# Altium PCB Netscale48HD_Sensorbar_Master.PcbDoc (part 1 of 5)
Units mil, origin at the board's own origin, x right, y up, seen from the top; angles counter-clockwise.
Board outline 18271.78 x 661.42 mil, 6 copper layers (Top Layer, PWR_Layer, Top_Signal_Layer, Bottom_Signal_Layer, GND_Layer, Bottom Layer), stack 30.644 mil thick; 300 components, 206 nets, 1127 pads, 560 vias.
Unrouted connection lines stored in the file: 11.
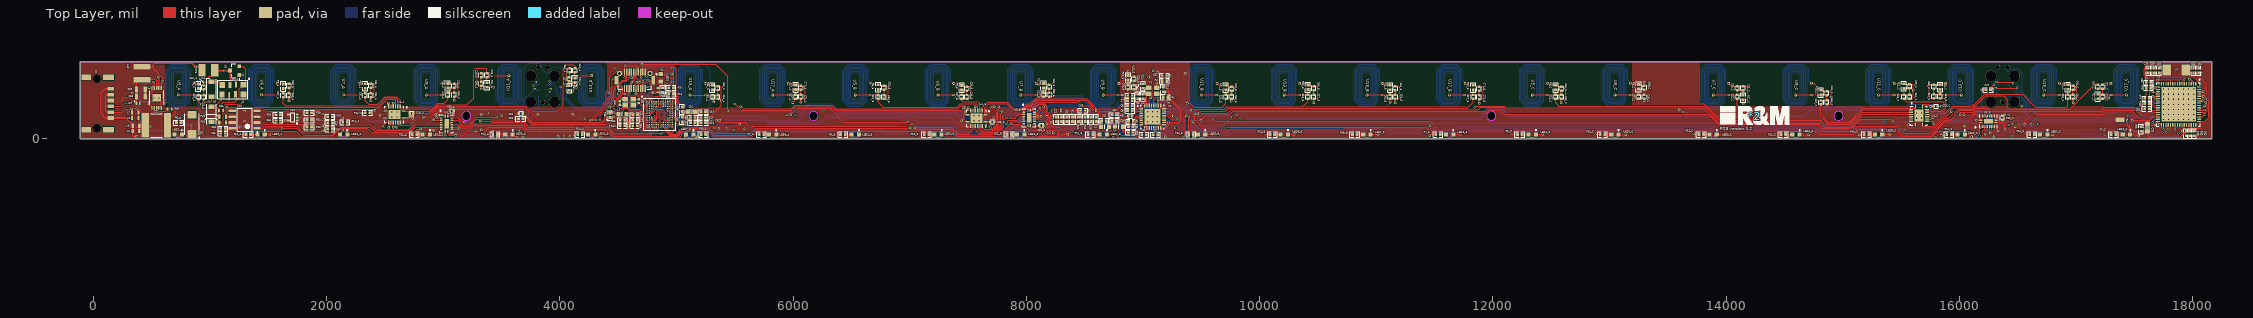
[diagram p0: Top Layer view]
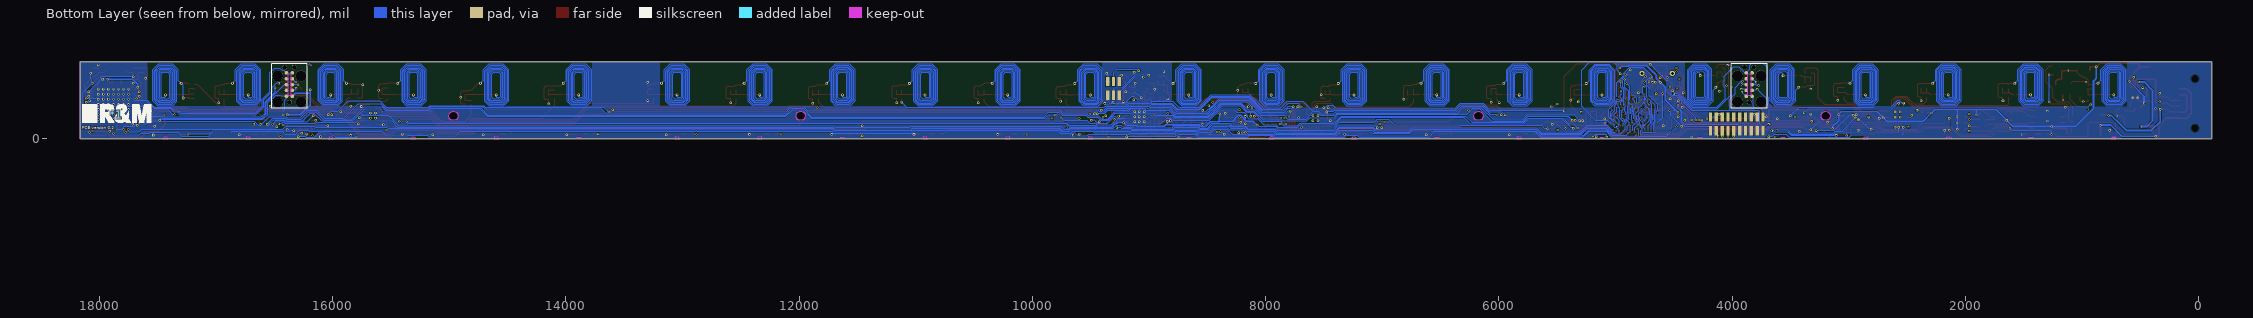
[diagram p1: Bottom Layer view, seen from below]
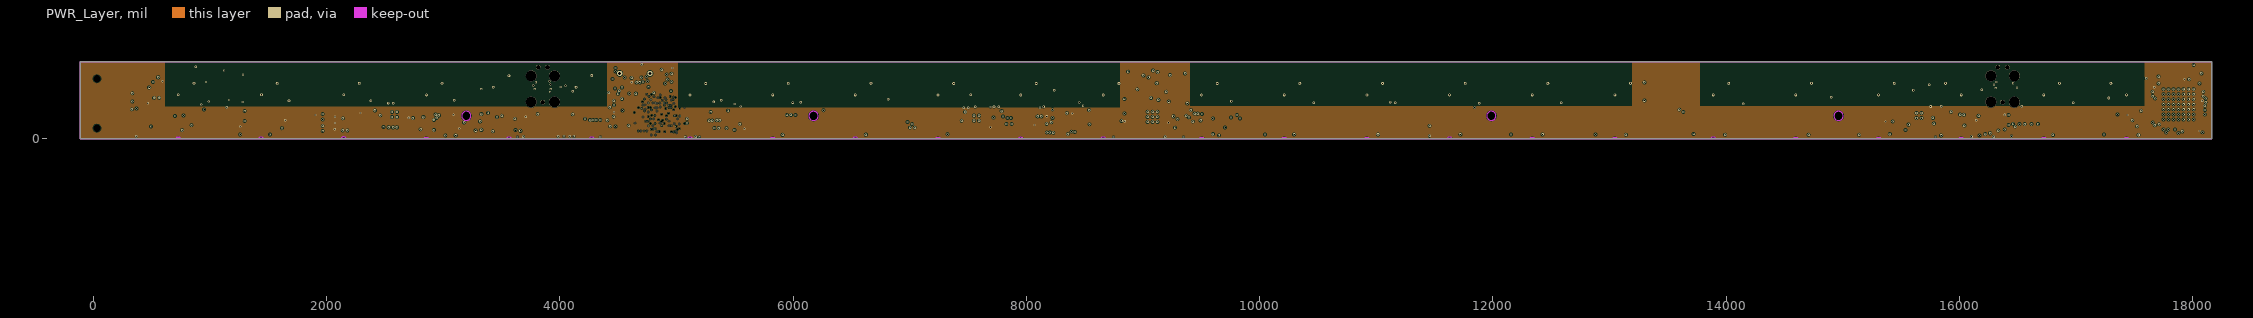
[diagram p2: PWR_Layer]
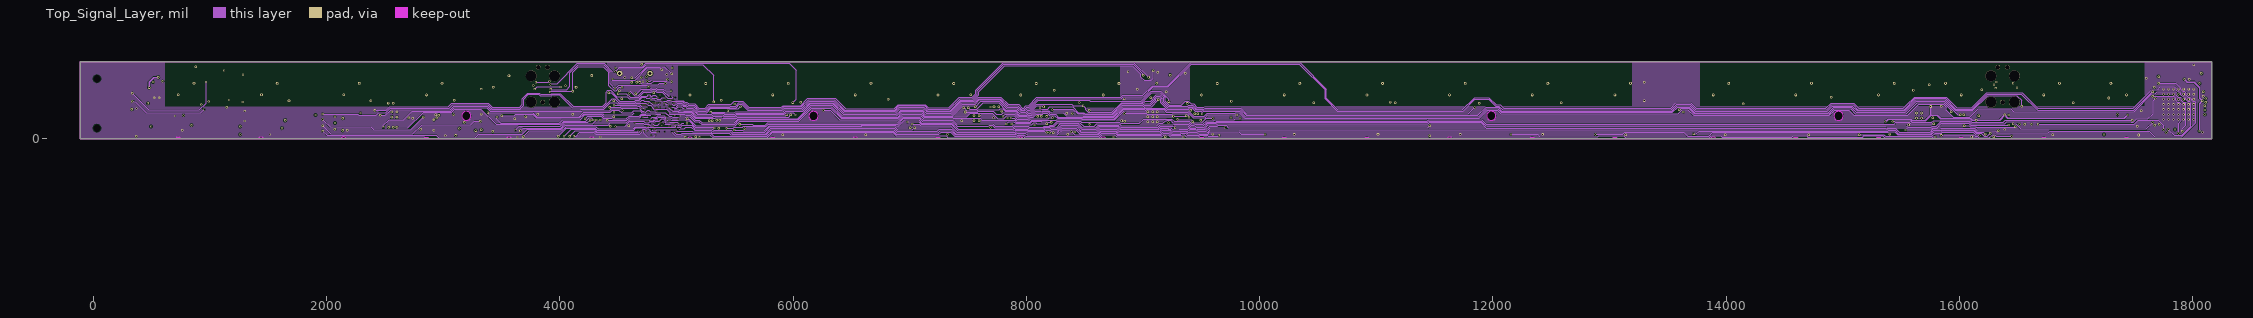
[diagram p3: Top_Signal_Layer]
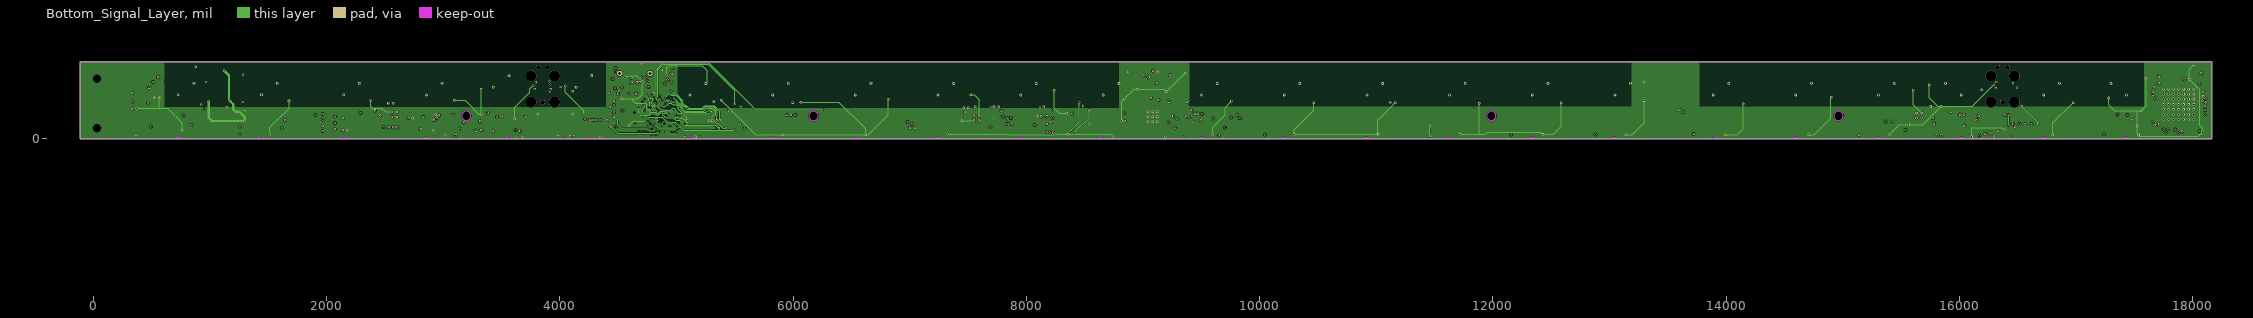
[diagram p4: Bottom_Signal_Layer]
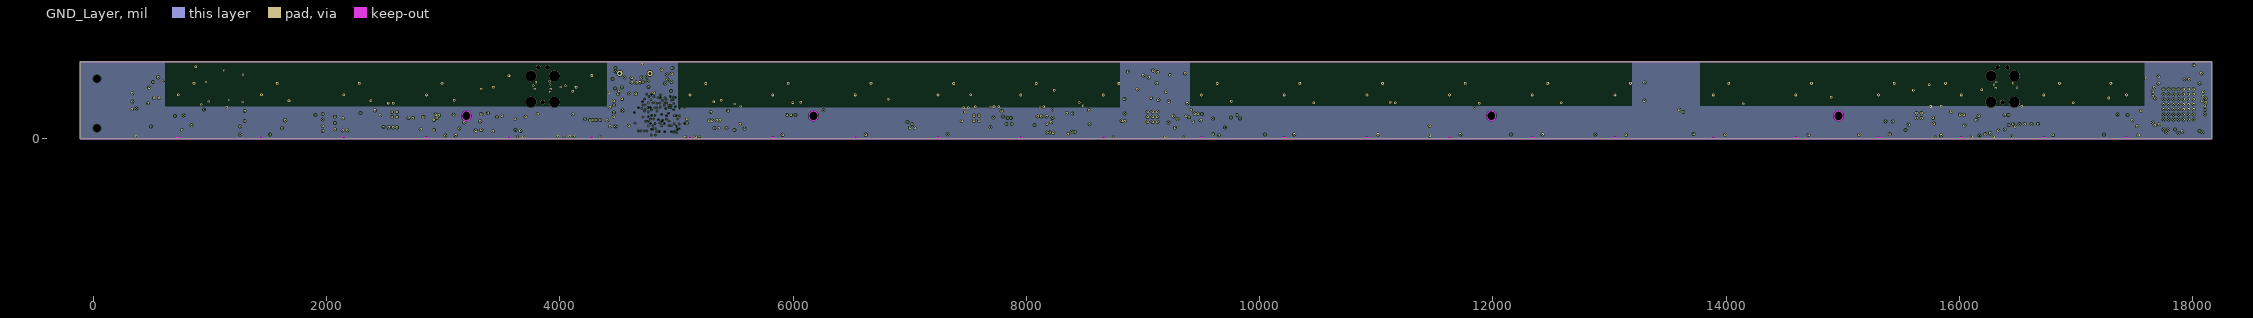
[diagram p5: GND_Layer]
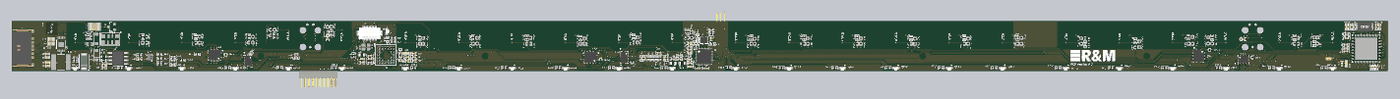
[diagram p10: 3D render of the assembled board from above, using the file's embedded part models]

## Layer stack, top to bottom
Top Solder: solder mask 0.4, Solder Resist, Dk 3.5
Top Layer: signal copper 1.4
Dielectric 4: prepreg 2.8, PP-006, Dk 4.1
PWR_Layer: signal copper 1.3779
Dielectric 1: core 5.8268, FR-4, Dk 4.2
Top_Signal_Layer: signal copper 1.4173
Dielectric 2: prepreg 5, Dk 4.2
Bottom_Signal_Layer: signal copper 1.4173
Dielectric 3: core 5.8268, Dk 4.2
GND_Layer: signal copper 1.3779
Dielectric 5: prepreg 2.8, PP-006, Dk 4.1
Bottom Layer: signal copper 1.4
Bottom Solder: solder mask 0.4, Solder Resist, Dk 3.5

## Board outline
-110.11,0 -110.36,661.42 18161.42,661.42 18161.42,0
cut-out: 17408.86,0 cw(c17431.1,-7.94) 17453.35,0
cut-out: 16700.54,0 cw(c16722.44,-7.94) 16744.33,0.01 16744.32,0
cut-out: 15991.88,0 cw(c16013.78,-7.94) 16035.67,0.01 16035.68,0.01
cut-out: 14923.23,196.85 ccw(c14962.6,196.85) 14962.6,157.48 ccw(c14962.6,196.85) 15001.97,196.85 ccw(c14962.6,196.85) 14962.6,236.22 ccw(c14962.6,196.85)
cut-out: 15282.9,0.08 cw(c15305.12,-7.94) 15327.34,0.08
cut-out: 14574.24,0.08 cw(c14596.46,-7.94) 14618.67,0.08 14618.67,0
cut-out: 13865.58,0 13910.01,0 13910.01,0.08 ccw(c13887.8,-7.94)
cut-out: 13023.06,0.08 cw(c13045.28,-7.94) 13067.49,0.08 13067.49,0
cut-out: 12314.4,0.08 cw(c12336.61,-7.94) 12358.83,0.08 12358.83,0
cut-out: 11946.85,196.85 ccw(c11986.22,196.85) 11986.22,157.48 ccw(c11986.22,196.85) 12025.59,196.85 ccw(c11986.22,196.85) 11986.22,236.22 ccw(c11986.22,196.85)
cut-out: 11605.75,0.09 11650.16,0.08 11650.16,0.11 ccw(c11627.95,-7.94)
cut-out: 10897.08,0.11 cw(c10919.29,-7.94) 10941.5,0.12 10941.5,0
cut-out: 10188.42,0.11 cw(c10210.63,-7.94) 10232.83,0.13 10232.84,0.01
cut-out: 9479.76,0.12 cw(c9501.97,-7.94) 9524.17,0.12 9524.17,0
cut-out: 8637.2,0.12 8681.65,0.12 ccw(c8659.45,-7.94)
cut-out: 7928.52,0.12 cw(c7950.79,-7.76) 7973.06,0.12 7973.04,0
cut-out: 7219.94,0.16 cw(c7242.13,-7.94) 7264.32,0.15 7264.17,0.16
cut-out: 6511.23,0 6555.72,0 6555.66,0.16 ccw(c6533.46,-7.94)
cut-out: 6135.83,196.85 ccw(c6175.2,196.85) 6175.2,157.48 ccw(c6175.2,196.85) 6214.57,196.85 ccw(c6175.2,196.85) 6175.2,236.22 ccw(c6175.2,196.85)
cut-out: 5802.61,0.16 cw(c5824.8,-7.94) 5847,0.14 5847.02,0
cut-out: 5093.88,0 5138.4,0 5138.32,0.2 ccw(c5116.14,-7.94)
cut-out: 5093.88,0 5138.4,0 5138.32,0.2 ccw(c5116.14,-7.94)
cut-out: 4251.39,0.16 4295.77,0.16 ccw(c4273.58,-7.94)
cut-out: 3159.45,196.85 ccw(c3198.82,196.85) 3198.82,157.48 ccw(c3198.82,196.85) 3238.19,196.85 ccw(c3198.82,196.85) 3198.82,236.22 ccw(c3198.82,196.85)
cut-out: 3542.73,0.18 3587.08,0.2 3587.09,0.2 ccw(c3564.92,-7.94)
cut-out: 2834.07,0.18 cw(c2856.26,-7.94) 2878.42,0.22 2878.42,0.2
cut-out: 2124.45,0.22 2170.76,0.16 2170.76,0.15 ccw(c2147.59,-7.94)
cut-out: 1416.76,0.22 1461.1,0.21 ccw(c1438.93,-7.94)
cut-out: 708.1,0.2 cw(c730.27,-7.95) 752.44,0.2 752.44,0.22
cut-out: 2124.45,0.22 2170.76,0.16 2170.76,0.15 ccw(c2147.59,-7.94)

## Design rules (kind name [scope] priority, off if disabled: settings)
Clearance Clearance_BGA [WithinRoom('BGA') vs OnLayer('Top Layer')] p1: gap=3.15 ignorepadtopadclearanceinfootprint=TRUE
Clearance [All] p2: gap=5 ignorepadtopadclearanceinfootprint=TRUE
ComponentClearance [All] p1: gap=0 collisioncheckmode=3 verticalgap=5.91 showdistances=FALSE
DiffPairsRouting [All] p1: maxlimit=10 minlimit=10 mostfreqgap=10 toplayer_minwidth=15 toplayer_maxwidth=15 toplayer_prefwidth=15 midlayer1_minwidth=15 midlayer1_maxwidth=15 midlayer1_prefwidth=15 midlayer2_minwidth=15 midlayer2_maxwidth=15 midlayer2_prefwidth=15 midlayer3_minwidth=15 midlayer3_maxwidth=15 midlayer3_prefwidth=15 midlayer4_minwidth=15 midlayer4_maxwidth=15 midlayer4_prefwidth=15 bottomlayer_minwidth=15 bottomlayer_maxwidth=15 bottomlayer_prefwidth=15 maxuncoupledlength=500
HoleSize [All] p1: absolutevalues=TRUE maxlimit=100 minlimit=0.98 maxpercent=80.000 minpercent=20.000
HoleToHoleClearance [All] p1: gap=5.91 allowstackedmicrovias=TRUE
MinimumSolderMaskSliver [All] p1: minsoldermaskwidth=0
NetAntennae [All] p1: netantennaetolerance=39.37
PolygonConnect Via [IsVia] p1: connectstyle=Direct reliefconductorwidth=10 reliefentries=4 polygonreliefangle="90 Angle" airgapwidth=10
PolygonConnect [All] p2: connectstyle=Relief reliefconductorwidth=10 reliefentries=4 polygonreliefangle="90 Angle" airgapwidth=5.91
RoomDefinition BGA [False] p1: confinementstyle=ConfineIn formatcopy=TRUE lockcomponents=FALSE outline 4616.94,404.37 5080.14,404.37 5080.14,21.06 4616.94,21.06
RoomDefinition RS4850 [InComponentClass('RS4850')] p2: confinementstyle=ConfineIn formatcopy=TRUE lockcomponents=FALSE outline -173.81,866.42 18335.59,866.42 18335.59,-311.89 -173.81,-311.89
RoomDefinition "Power Supply" [InComponentClass('Power Supply')] p3: confinementstyle=ConfineIn formatcopy=TRUE lockcomponents=FALSE outline -31.3,-25.24 18208.43,-25.24 18208.43,691.42 -31.3,691.42
RoomDefinition Netscale48HD_Sensorbar [InComponentClass('Netscale48HD_Sensorbar')] p4 off: confinementstyle=ConfineIn formatcopy=TRUE lockcomponents=FALSE outline -179.28,972.56 18381.61,972.56 18381.61,-335.24 -179.28,-335.24
RoomDefinition Microcontroller [InComponentClass('Microcontroller')] p5: confinementstyle=ConfineIn formatcopy=TRUE lockcomponents=FALSE outline 18453.44,-442.99 -222.37,-442.99 -222.37,900 18453.44,900
RoomDefinition RFID [InComponentClass('RFID')] p6: confinementstyle=ConfineIn formatcopy=TRUE lockcomponents=FALSE outline -193.64,1009.25 18324.14,1009.25 18324.14,-347.6 -193.64,-347.6
RoutingVias RoutingVias_BGA [WithinRoom('BGA')] p1: holewidth=3.94 width=9.84 viastyle="Through Hole" minholewidth=3.94 minwidth=9.84 maxholewidth=3.94 maxwidth=9.84
RoutingVias [All] p2: holewidth=11.81 width=19.68 viastyle="Through Hole" minholewidth=11.81 minwidth=19.68 maxholewidth=11.81 maxwidth=50
SilkToSilkClearance [All] p1: silktosilkclearance=0
SilkToSolderMaskClearance [IsPad] p1: minsilkscreentomaskgap=0 clearancetoexposedcopper=TRUE
SolderMaskExpansion [All] p1: expansion=4
UnRoutedNet [All] p1: checkbadconnections=TRUE
Width width_BGA [WithinRoom('BGA')] p1: maxlimit=19.68 minlimit=5 preferedwidth=5.91 toplayer_prefwidth=5.12 midlayer3_minwidth=5.12 midlayer3_prefwidth=5.12 midlayer4_minwidth=5.12 midlayer4_prefwidth=5.12 minimp=50.000000 maximp=50.000000 favimp=50.000000
Width [All] p2: maxlimit=20 minlimit=5 preferedwidth=8 midlayer3_minwidth=5.91 midlayer3_maxwidth=19.68 midlayer3_prefwidth=5.91 midlayer4_minwidth=5.91 midlayer4_maxwidth=19.68 midlayer4_prefwidth=5.91 minimp=50.000000 maximp=50.000000 favimp=50.000000
21 further rules are at their usual default settings.

## Classes and differential pairs
channel class Netscale48HD_Antenna_Selector: A B C
component class RS4850: C29 C54 C55 C58 C59 C61 C62 C65 C66 C75 C76 C77 C78 C79 C80 C81 C82 C83 D4 D5 D6 P4 P5 R16 R20 R22 R24 R26 R28 R29 R30 R31 R32 R33 R34 TVS1 U8 U10 U12 Y3
component class "Power Supply": C68 C69 C72 C73 D7 L10 R36 U14
component class Netscale48HD_Sensorbar: D1 J1 J2 L5 L6 L7 L8
component class Microcontroller: C19 C20 C23 C24 C25 C26 C27 C41 C44 C45 C47 C48 C51 C52 C84 C85 C86 C88 L9 LED9 P1 P2 P3 R4 R5 R18 R35 R38 R39 R40 U2 Y2
component class RFID: *1 C1 C2 C3 C4 C5 C6 C7 C8 C9 C10 C11 C12 C13 C14 C15 C16 C17 C18 C21 C22 C87 FB1 L1 L2 R1 R2 R3 R41 R42 U1 Y1
net class S0A[1..3]: S0A1 S0A2 S0A3
net class OE[1..3]: OE1 OE2 OE3 OE4 OE5 OE6
differential pair RS485_0: +RS485_0_P -RS485_0_N
differential pair RS485_2: +RS485_2_P -RS485_2_N
differential pair RS485_1: +RS485_1_P -RS485_1_N

## Components (designator, comment, footprint, x,y, rotation, side; value= is the part's Value field where it differs from the comment)
*1 "Reichle & De-Massari Logo" SYMBOL_R&M 17847.22,207.92 r180 bottom
*2 "Reichle & De-Massari Logo" SYMBOL_R&M 14247.26,195.72 r0 top (schematic designator *1)
C1 "10nF" "Ceramic Capacitor 0402 EIA" 9106.55,34.89 r180 top
C2 "2.2uF" "Ceramic Capacitor 0402 EIA" 9008.13,35.43 r0 top
C3 "10nF" "Ceramic Capacitor 0402 EIA" 8954.33,363.56 r270 top
C4 "2.2uF" "Ceramic Capacitor 0402 EIA" 8998.29,363.56 r270 top
C5 "10nF" "Ceramic Capacitor 0402 EIA" 8887.42,281.95 r0 top
C6 "2.2uF" "Ceramic Capacitor 0402 EIA" 8887.42,238.19 r0 top
C7 "10nF" "Ceramic Capacitor 0402 EIA" 8887.42,326.77 r0 top
C8 "2.2uF" "Ceramic Capacitor 0402 EIA" 8887.99,371.44 r0 top
C9 "10nF" "Ceramic Capacitor 0402 EIA" 8895.87,150 r0 top
C10 "2.2uF" "Ceramic Capacitor 0402 EIA" 8894.86,102.19 r0 top
C11 "10pF" "Ceramic Capacitor 0402 EIA" 8664.69,155.95 r0 top
C12 "3.3nF" "Ceramic Capacitor 0402 EIA" 8895.29,55 r0 top
C13 "15pF" "Ceramic Capacitor 0402 EIA" 9172.6,423.82 r90 top
C14 "15pF" "Ceramic Capacitor 0402 EIA" 8998.29,453.35 r270 top
C15 "1.2nF" "Ceramic Capacitor 0402 EIA" 8598.16,167.33 r270 top
C16 "3.3nF" "Ceramic Capacitor 0402 EIA" 8753.27,156.24 r0 top
C17 "3.3nF" "Ceramic Capacitor 0402 EIA" 8753.27,203.66 r180 top
C18 "1.2nF" "Ceramic Capacitor 0402 EIA" 8552.75,167.44 r90 top
C19 "0.1uF" "CERAMIC CAPACITOR 0402 EIA" 5230.44,230.32 r180 top
C20 "0.1uF" "CERAMIC CAPACITOR 0402 EIA" 5230.44,182.28 r180 top
C21 "10nF" "Ceramic Capacitor 0402 EIA" 8253.27,167.44 r270 top
C22 "2.2uF" "Ceramic Capacitor 0402 EIA" 8298.15,167.72 r270 top
C23 "0.1uF" "CERAMIC CAPACITOR 0402 EIA" 5230.44,135.04 r180 top
C24 "0.1uF" "CERAMIC CAPACITOR 0402 EIA" 5139.89,135.04 r0 top
C25 "0.1uF" "CERAMIC CAPACITOR 0402 EIA" 5139.89,182.28 r0 top
C26 "0.1uF" CAPC1005X55N 3667.22,216.78 r0 top
C27 "0.1uF" "CERAMIC CAPACITOR 0402 EIA" 4646.47,204.55 r0 top
C28_A "LMK105BJ104KV-F" CAPC1005X55N 2728.79,216.78 r180 top value=100nF (schematic designator C28)
C28_B "LMK105BJ104KV-F" CAPC1005X55N 7708,146.46 r180 top value=100nF (schematic designator C28)
C28_C "LMK105BJ104KV-F" CAPC1005X55N 15797.34,279.53 r180 top value=100nF (schematic designator C28)
C29 "0.1uF" "CERAMIC CAPACITOR 0402 EIA" 16245.29,419.69 r180 top
C30_A "LMK105BJ104KV-F" CAPC1005X55N 3074.56,241.14 r0 top value=100nF (schematic designator C30)
C30_B "LMK105BJ104KV-F" CAPC1005X55N 8128.93,114 r180 top value=100nF (schematic designator C30)
C30_C "LMK105BJ104KV-F" CAPC1005X55N 16366,178.97 r90 top value=100nF (schematic designator C30)
C31_A "GCM1555C1H221FA16D" CAPC1005X55N 902.18,357.12 r90 top value=220pF (schematic designator C31)
C31_B "GCM1555C1H221FA16D" CAPC1005X55N 6730.16,358.79 r90 top value=220pF (schematic designator C31)
C31_C "GCM1555C1H221FA16D" CAPC1005X55N 12536.71,359.94 r90 top value=220pF (schematic designator C31)
C32_A "GCM1555C1H221FA16D" CAPC1005X55N 2331.35,372.82 r90 top value=220pF (schematic designator C32)
C32_B "GCM1555C1H221FA16D" CAPC1005X55N 8146.91,378.42 r90 top value=220pF (schematic designator C32)
C32_C "GCM1555C1H221FA16D" CAPC1005X55N 14094.35,359.94 r90 top value=220pF (schematic designator C32)
C33_A "GRM1555C1H151FA01D" CAPC1005X55N 947.17,357.12 r90 top value=150pF (schematic designator C33)
C33_B "GRM1555C1H151FA01D" CAPC1005X55N 6780.16,438.79 r270 top value=150pF (schematic designator C33)
C33_C "GRM1555C1H151FA01D" CAPC1005X55N 12586.71,359.94 r90 top value=150pF (schematic designator C33)
C34_A "GJM1555C1H4R7WB01D" CAPC1005X55N 948.35,440.35 r270 top value=4.7pF (schematic designator C34)
C34_B "GJM1555C1H4R7WB01D" CAPC1005X55N 6780.16,358.79 r90 top value=4.7pF (schematic designator C34)
C34_C "GJM1555C1H4R7WB01D" CAPC1005X55N 12586.71,429.94 r270 top value=4.7pF (schematic designator C34)
C35_A "GRM1555C1H151FA01D" CAPC1005X55N 2381.35,456.6 r270 top value=150pF (schematic designator C35)
C35_B "GRM1555C1H151FA01D" CAPC1005X55N 8196.91,378.42 r90 top value=150pF (schematic designator C35)
C35_C "GRM1555C1H151FA01D" CAPC1005X55N 14144.35,434.94 r270 top value=150pF (schematic designator C35)
C36_A "GJM1555C1H4R7WB01D" CAPC1005X55N 2381.35,372.82 r90 top value=4.7pF (schematic designator C36)
C36_B "GJM1555C1H4R7WB01D" CAPC1005X55N 8196.91,445.35 r270 top value=4.7pF (schematic designator C36)
C36_C "GJM1555C1H4R7WB01D" CAPC1005X55N 14094.35,434.94 r270 top value=4.7pF (schematic designator C36)
C37_A "GCM1555C1H221FA16D" CAPC1005X55N 1628.74,372.82 r90 top value=220pF (schematic designator C37)
C37_B "GCM1555C1H221FA16D" CAPC1005X55N 7444.74,358.91 r90 top value=220pF (schematic designator C37)
C37_C "GCM1555C1H221FA16D" CAPC1005X55N 13247.61,359.94 r90 top value=220pF (schematic designator C37)
C38_A "GRM1555C1H151FA01D" CAPC1005X55N 1678.74,454.75 r270 top value=150pF (schematic designator C38)
C38_B "GRM1555C1H151FA01D" CAPC1005X55N 7489.74,430.84 r270 top value=150pF (schematic designator C38)
C38_C "GRM1555C1H151FA01D" CAPC1005X55N 13297.61,438.8 r270 top value=150pF (schematic designator C38)
C39_A "GCM1555C1H221FA16D" CAPC1005X55N 3039.37,378.3 r90 top value=220pF (schematic designator C39)
C39_B "GCM1555C1H221FA16D" CAPC1005X55N 8871.63,441.93 r90 top value=220pF (schematic designator C39)
C39_C "GCM1555C1H221FA16D" CAPC1005X55N 14810.97,311.72 r90 top value=220pF (schematic designator C39)
C40_A "GJM1555C1H4R7WB01D" CAPC1005X55N 1678.74,372.82 r90 top value=4.7pF (schematic designator C40)
C40_B "GJM1555C1H4R7WB01D" CAPC1005X55N 7489.74,358.91 r90 top value=4.7pF (schematic designator C40)
C40_C "GJM1555C1H4R7WB01D" CAPC1005X55N 13297.61,359.94 r90 top value=4.7pF (schematic designator C40)
C41 "1uF" "CERAMIC CAPACITOR 0402 EIA" 4645.53,159.22 r0 top
C42_A "GRM1555C1H151FA01D" CAPC1005X55N 3094.37,378.3 r90 top value=150pF (schematic designator C42)
C42_B "GRM1555C1H151FA01D" CAPC1005X55N 8921.63,513.86 r270 top value=150pF (schematic designator C42)
C42_C "GRM1555C1H151FA01D" CAPC1005X55N 14860.97,314.79 r90 top value=150pF (schematic designator C42)
C43_A "GJM1555C1H4R7WB01D" CAPC1005X55N 3094.37,453.3 r270 top value=4.7pF (schematic designator C43)
C43_B "GJM1555C1H4R7WB01D" CAPC1005X55N 8921.63,441.93 r90 top value=4.7pF (schematic designator C43)
C43_C "GJM1555C1H4R7WB01D" CAPC1005X55N 14860.97,391.72 r270 top value=4.7pF (schematic designator C43)
C44 "0.1uF" "CERAMIC CAPACITOR 0402 EIA" 4536.94,111.23 r180 top
C45 "1uF" "CERAMIC CAPACITOR 0402 EIA" 4536.94,158.96 r180 top
C46_A "GCM1555C1H221FA16D" CAPC1005X55N 3375.95,545.94 r270 top value=220pF (schematic designator C46)
C46_B "GCM1555C1H221FA16D" CAPC1005X55N 9708.55,359.6 r90 top value=220pF (schematic designator C46)
C46_C "GCM1555C1H221FA16D" CAPC1005X55N 15521.17,359.16 r90 top value=220pF (schematic designator C46)
C47 "11pF" CAPC0402(1005)60_L 4676.25,323.43 r270 top
C48 "11pF" CAPC0402(1005)60_L 4513.64,307.09 r90 top
C49_A "GRM1555C1H151FA01D" CAPC1005X55N 3325.95,546.89 r270 top value=150pF (schematic designator C49)
C49_B "GRM1555C1H151FA01D" CAPC1005X55N 9758.55,427.67 r270 top value=150pF (schematic designator C49)
C49_C "GRM1555C1H151FA01D" CAPC1005X55N 15571.17,449.16 r270 top value=150pF (schematic designator C49)
C50_A "GJM1555C1H4R7WB01D" CAPC1005X55N 3325.95,471.89 r90 top value=4.7pF (schematic designator C50)
C50_B "GJM1555C1H4R7WB01D" CAPC1005X55N 9758.55,359.6 r90 top value=4.7pF (schematic designator C50)
C50_C "GJM1555C1H4R7WB01D" CAPC1005X55N 15571.17,360.3 r90 top value=4.7pF (schematic designator C50)
C51 "0.1uF" "CERAMIC CAPACITOR 0402 EIA" 4081.94,436.37 r270 top
C52 "0.1uF" "CERAMIC CAPACITOR 0402 EIA" 9182.93,543 r0 top
C53_A "GCM1555C1H221FA16D" CAPC1005X55N 4130.94,587.08 r270 top value=220pF (schematic designator C53)
C53_B "GCM1555C1H221FA16D" CAPC1005X55N 10413.37,359.94 r90 top value=220pF (schematic designator C53)
C53_C "GCM1555C1H221FA16D" CAPC1005X55N 15832.98,363.65 r90 top value=220pF (schematic designator C53)
C54 "15pF" "CERAMIC CAPACITOR 0402 EIA" 18005.29,584.95 r270 top
C55 "15pF" "CERAMIC CAPACITOR 0402 EIA" 17709.17,584.95 r270 top
C56_A "GRM1555C1H151FA01D" CAPC1005X55N 4084.94,587.08 r270 top value=150pF (schematic designator C56)
C56_B "GRM1555C1H151FA01D" CAPC1005X55N 10463.37,433.8 r270 top value=150pF (schematic designator C56)
C56_C "GRM1555C1H151FA01D" CAPC1005X55N 15779.67,447.39 r270 top value=150pF (schematic designator C56)
C57_A "GJM1555C1H4R7WB01D" CAPC1005X55N 4081.94,512.08 r90 top value=4.7pF (schematic designator C57)
C57_B "GJM1555C1H4R7WB01D" CAPC1005X55N 10463.37,359.94 r90 top value=4.7pF (schematic designator C57)
C57_C "GJM1555C1H4R7WB01D" CAPC1005X55N 15779.67,363.65 r90 top value=4.7pF (schematic designator C57)
C58 "0.1uF" "CERAMIC CAPACITOR 0402 EIA" 17607.54,257.97 r0 top
C59 "2.2uF" "CERAMIC CAPACITOR 0402 EIA" 17664.49,584.95 r270 top
C60_A "GCM1555C1H221FA16D" CAPC1005X55N 5308.8,358.74 r90 top value=220pF (schematic designator C60)
C60_B "GCM1555C1H221FA16D" CAPC1005X55N 11118.24,359.94 r90 top value=220pF (schematic designator C60)
C60_C "GCM1555C1H221FA16D" CAPC1005X55N 16928.16,360.3 r90 top value=220pF (schematic designator C60)
C61 "1nF" "CERAMIC CAPACITOR 0402 EIA" 18049.58,584.95 r270 top
C62 "0.1uF" "CERAMIC CAPACITOR 0402 EIA" 1112.53,90.32 r180 top
C63_A "GRM1555C1H151FA01D" CAPC1005X55N 5353.8,435.67 r270 top value=150pF (schematic designator C63)
C63_B "GRM1555C1H151FA01D" CAPC1005X55N 11163.24,359.94 r90 top value=150pF (schematic designator C63)
C63_C "GRM1555C1H151FA01D" CAPC1005X55N 16973.16,437.23 r270 top value=150pF (schematic designator C63)
C64_A "GJM1555C1H4R7WB01D" CAPC1005X55N 5353.8,358.74 r90 top value=4.7pF (schematic designator C64)
C64_B "GJM1555C1H4R7WB01D" CAPC1005X55N 11163.24,431.87 r270 top value=4.7pF (schematic designator C64)
C64_C "GJM1555C1H4R7WB01D" CAPC1005X55N 16973.16,360.3 r90 top value=4.7pF (schematic designator C64)
C65 "10uF" "CERAMIC CAPACITOR 0402 EIA" 1112.53,45.87 r0 top
C66 "0.1uF" "CERAMIC CAPACITOR 0402 EIA" 1585.93,157 r180 top
C67_A "GCM1555C1H221FA16D" CAPC1005X55N 6021.51,359.86 r90 top value=220pF (schematic designator C67)
C67_B "GCM1555C1H221FA16D" CAPC1005X55N 11831.53,358.94 r90 top value=220pF (schematic designator C67)
C67_C "GCM1555C1H221FA16D" CAPC1005X55N 17185.29,445.68 r270 top value=220pF (schematic designator C67)
C68 "470nF" "CAP-0805[2012] - RFL" 409.58,362.24 r180 top
C69 "470nF" "CAP-0805[2012] - RFL" 409.58,423.46 r180 top
C70_A "GRM1555C1H151FA01D" CAPC1005X55N 6066.51,361.79 r90 top value=150pF (schematic designator C70)
C70_B "GRM1555C1H151FA01D" CAPC1005X55N 11881.53,357.01 r90 top value=150pF (schematic designator C70)
C70_C "GRM1555C1H151FA01D" CAPC1005X55N 17226.3,362.45 r90 top value=150pF (schematic designator C70)
C71_A "GJM1555C1H4R7WB01D" CAPC1005X55N 6066.51,436.79 r270 top value=4.7pF (schematic designator C71)
C71_B "GJM1555C1H4R7WB01D" CAPC1005X55N 11881.53,428.94 r270 top value=4.7pF (schematic designator C71)
C71_C "GJM1555C1H4R7WB01D" CAPC1005X55N 17226.3,445.68 r270 top value=4.7pF (schematic designator C71)
C72 "22201C106MAT2A" CAPC5750X279X64LL40T39 541.17,115.1 r180 top value=10uF
C73 "100uF" "CAP-1210[3225] - RFL" 988.05,588.27 r0 top